# KiCad board CPU2908C.kicad_pcb (continued)
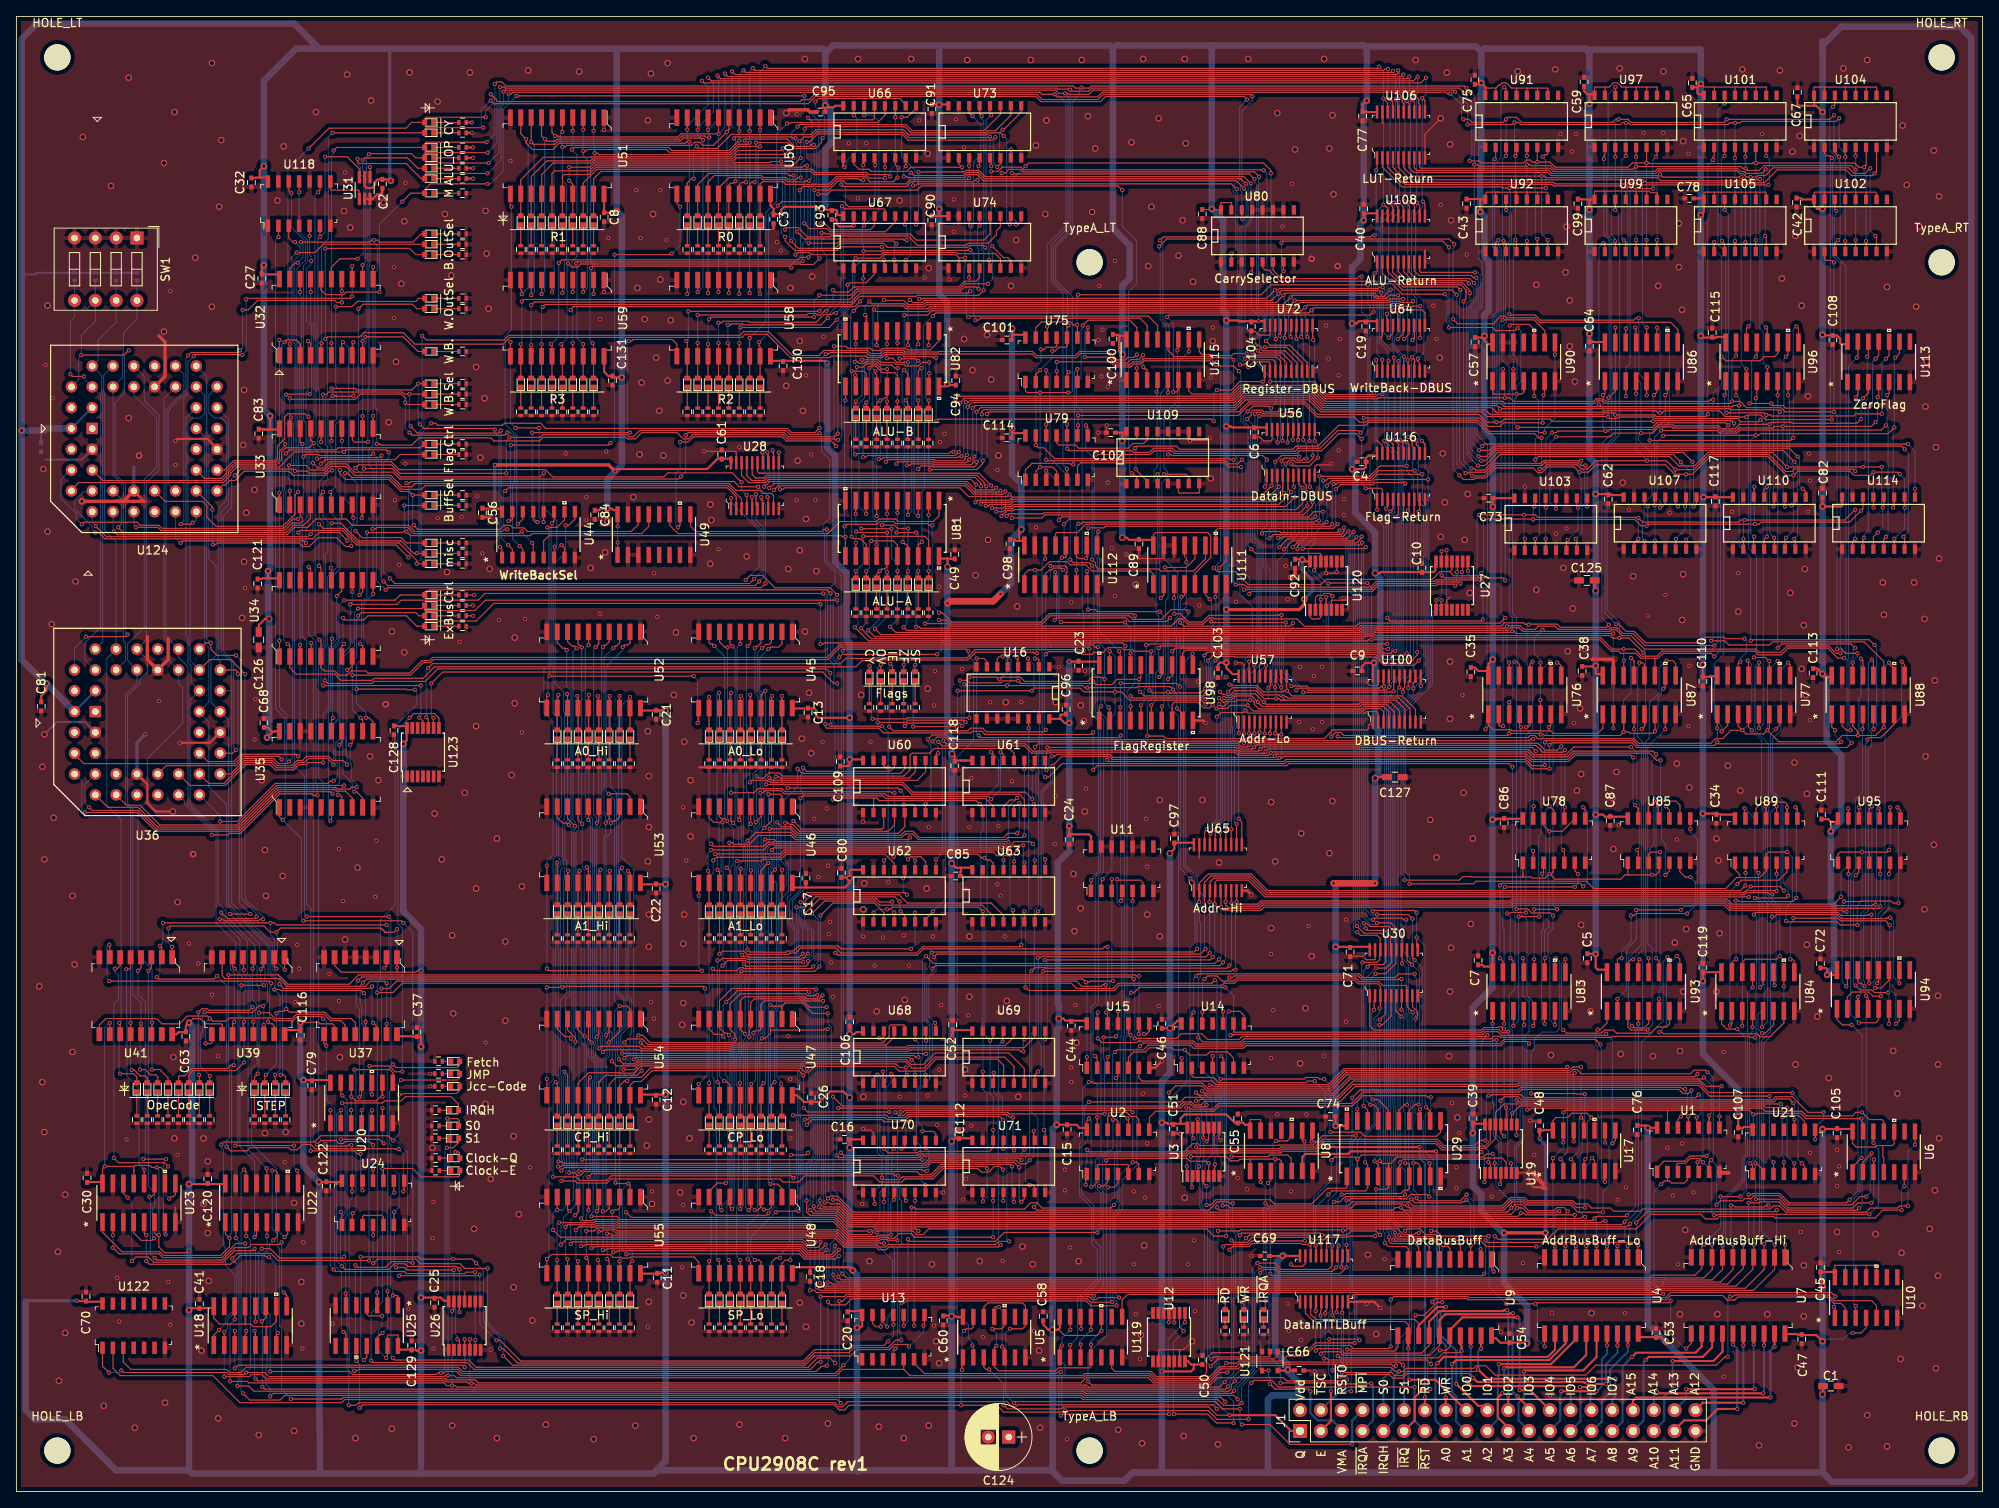
[diagram p0: board, top side]
## Routing (per net, layer and track width the routed paths; a pad name or vN(x,y) marks a point on that pad's centre or on a via; arc(x,y) is an arc through that point) (continued)
  Bottom w0.127: v1(82.66,99.5) 83.16,99 v1(83.16,93.78) ; v1(65.38,118.17) 65.38,117.81 65.26,117.7 65.26,100.79 65.08,100.6 v1(65.08,99.56) 64.87,99.35 v1(64.87,97.21)
/Executer/WB_A1: length 90.1
  Top w0.127: v1(83.3,72.7) 83.3,74.1 ; v1(64.82,117.66) 65.99,117.66 66.9,118.56 U44.10 ; v1(64.76,76.38) 64.76,74.6 ; v1(83.68,63.56) 65.01,63.56 v1(64.76,63.81)
  Bottom w0.127: 83.17,72.83 v1(83.3,72.7) 83.3,63.94 v1(83.68,63.56) ; v1(64.76,63.81) v1(64.76,76.38) 64.76,77.02 65.52,77.78 65.52,93.91 64.38,95.05 64.38,100.26 65.01,100.89 65.01,117.47 v1(64.82,117.66)
/Executer/WB_CP: length 106.3
  Top w0.127: v1(64.76,50.35) 64.76,48.82 ; U47.11 v1(83.28,49.73) ; v1(84.06,61.4) 83.81,61.65 66.79,61.65 v1(66.66,61.52) v1(64.76,61.52) ; 68.17,119.56 68.17,118.66 67.42,117.91 v1(67.04,117.91)
  Bottom w0.127: 66.72,76.7 66.72,76.13 66.39,75.8 66.39,61.79 v1(66.66,61.52) ; 66.72,76.7 66.72,77.08 ; 66.72,76.7 66.72,77.08 ; v1(67.04,117.91) 67.04,114.61 65.77,113.34 65.77,100.58 65.77,98.61 66.79,97.59 ; v1(83.28,49.73) 84.31,50.76 84.31,60.51 84.06,60.76 v1(84.06,61.4) ; 66.79,97.59 66.79,97.56 66.78,97.55 66.78,95.19 66.92,95.05 66.92,82.1 66.66,81.84 66.66,77.14 66.72,77.08 ; 66.79,97.59 66.79,97.46 ; v1(64.76,61.52) v1(64.76,50.35)
/Executer/WB_R0: length 60.8
  Top w0.127: v1(73.01,150.93) 79.87,150.93 v1(80,151.06) ; v1(60.06,118.42) 60.31,118.42 60.55,118.66 U44.15 ; v1(60.38,127.69) 72.25,127.69 v1(72.5,127.94) ; 80.61,157.92 80.61,157.17 v1(81.01,156.77)
  Bottom w0.127: v1(80,151.06) 81.01,152.07 v1(81.01,156.77) ; v1(60.38,127.69) 60.31,127.62 60.31,118.67 v1(60.06,118.42) ; v1(72.5,127.94) 73.01,128.45 v1(73.01,150.93)
/Executer/WB_R1: length 43.1
  Top w0.127: v1(60.42,156.77) 60.3,156.9 U51.11 ; v1(61.2,118.04) 61.82,118.66 U44.14
  Bottom w0.127: v1(60.42,156.77) 60.42,141.8 60.44,141.79 59.66,141.01 59.66,130.25 61.07,128.84 61.07,118.17 v1(61.2,118.04)
/Executer/WB_R2: length 43.9
  Top w0.127: v1(63.61,118.29) 63.36,118.29 63.09,118.56 U44.13 ; U58.11 80.61,140.01 80.05,140.58 75.23,140.58 75.23,140.52 75.1,140.39 v1(74.75,140.39) ; v1(62.96,129.21) v1(74.92,129.21)
  Bottom w0.127: v1(74.92,129.21) 74.56,129.57 74.56,140.2 v1(74.75,140.39) ; v1(63.61,118.29) 62.96,118.94 v1(62.96,129.21)
/Executer/WB_R3: length 28.3
  Top w0.127: v1(60.93,129.79) v1(63.81,129.79) ; v1(60.31,140.26) 60.3,140.25 U59.11 ; U44.12 v1(64.36,118.29)
  Bottom w0.127: v1(60.93,129.79) 60.31,130.41 v1(60.31,140.26) ; v1(63.81,129.79) 63.81,118.84 v1(64.36,118.29)
/Executer/WB_SP: length 112.2
  Top w0.127: v1(66.53,115.5) 66.9,115.13 U44.7 ; U55.11 64.74,28.36 v1(64.76,28.38) 65.32,28.94 72.48,28.94 72.83,28.59 73.8,28.59 73.88,28.5 74.9,28.5 75.03,28.63 82.66,28.63 83.3,28 83.3,26.72
  Bottom w0.127: v1(64.76,28.38) 65.01,28.63 65.01,49.8 65.51,50.3 65.51,77.13 65.95,77.57 65.95,94.59 65.52,95.02 65.52,96.19 65.52,100.77 65.52,114.48 v1(66.53,115.5)
/Executer/WRO0: length 101.8
  Top w0.127: v1(149.83,92.51) 149.83,93.65 ; v1(111.26,91.8) 111.77,92.32 113.46,92.32 114.03,91.75 140.07,91.75 140.25,91.56 149.57,91.56 v1(149.83,91.3) 150.15,91.62 184.59,91.62 184.78,91.82 v1(185.14,91.82) ; U60.7 v1(110.97,83.88) ; v1(185.14,78.16) 185.14,76.76
  Bottom w0.127: v1(185.14,91.82) 184.75,91.44 184.75,78.54 v1(185.14,78.16) ; v1(110.97,83.88) 111.61,84.52 111.61,91.09 111.26,91.45 v1(111.26,91.8) ; v1(149.83,92.51) v1(149.83,91.3)
/Executer/WRO1: length 97.6
  Top w0.127: U60.9 112.24,89.91 112.43,90.1 v1(112.51,90.1) ; v1(188.57,90.93) 188.12,90.48 186.55,90.48 185.72,91.31 164.18,91.31 164.12,91.37 150.73,91.37 v1(150.5,91.14) 150.22,90.86 149.56,90.86 149.11,91.31 140.13,91.31 139.94,91.49 113.91,91.49 113.34,92.06 112.36,92.06 v1(111.82,91.52) ; 188.95,77.02 188.95,78.16 v1(188.82,78.29) ; 150.47,93.65 v1(150.47,92.51)
  Bottom w0.127: v1(188.57,90.93) 188.57,78.54 v1(188.82,78.29) ; v1(111.82,91.52) 112.51,90.83 v1(112.51,90.1) ; v1(150.5,91.14) 150.47,91.17 v1(150.47,92.51)
/Executer/WRO2: length 85.3
  Top w0.127: v1(151.12,92.51) 151.12,93.64 ; v1(189.01,90.47) 188.76,90.22 186.3,90.22 185.47,91.05 164.07,91.05 164.01,91.11 151.35,91.11 v1(151.1,90.86) 150.85,90.61 149.45,90.61 149.01,91.05 140,91.05 139.81,91.24 124.7,91.24 v1(124.32,90.86) ; 188.95,83.37 189.01,83.43 v1(189.01,83.49) 188.95,83.43 U78.10 ; U61.7 124.3,83.75 v1(124.18,83.88)
  Bottom w0.127: v1(151.1,90.86) 151.1,92.49 ; v1(189.01,90.47) v1(189.01,83.49) ; v1(124.32,90.86) 124.32,90.51 124.45,90.38 124.45,84.14 v1(124.18,83.88)
/Executer/WRO3: length 75.7
  Top w0.127: U78.13 185.14,83.56 v1(185.2,83.62) ; v1(185.46,90.35) 185.01,90.8 163.97,90.8 163.91,90.86 152.11,90.86 v1(151.86,90.61) 151.61,90.35 149.35,90.35 148.9,90.8 v1(125.84,90.8) ; v1(151.74,92.64) 151.74,93.65 ; U61.9 125.57,88.2 v1(125.75,88.03)
  Bottom w0.127: v1(151.86,90.61) 151.74,90.73 v1(151.74,92.64) ; v1(185.46,90.35) 185.2,90.09 v1(185.2,83.62) ; v1(125.84,90.8) 125.84,90.22 125.75,90.13 v1(125.75,88.03)
/Executer/WRO4: length 126.9
  Top w0.127: v1(197.84,78.29) 197.96,78.16 U85.2 ; v1(111.87,70.79) 111.87,70.75 110.97,69.84 U62.7 ; v1(197.09,90.86) 190.1,90.86 189.16,89.91 185.19,89.91 184.56,90.55 163.86,90.55 163.8,90.61 152.78,90.61 v1(152.46,90.28) 152.27,90.1 149.24,90.1 148.86,90.48 126.17,90.48 126.05,90.36 124.06,90.36 123.18,91.24 113.52,91.24 v1(113.14,91.62) ; v1(152.37,92.51) 152.37,93.65
  Bottom w0.127: v1(152.37,92.51) 152.37,90.37 v1(152.46,90.28) ; v1(197.09,90.86) 197.78,90.17 197.78,84.2 198.09,83.9 198.09,78.54 v1(197.84,78.29) ; v1(111.87,70.79) 113.39,72.31 113.39,91.37 v1(113.14,91.62)
/Executer/WRO5: length 126.9
  Top w0.127: v1(200.14,89.97) 199.76,90.35 190,90.35 189.31,89.66 185.09,89.66 184.49,90.26 153.2,90.26 v1(153.1,90.16) 152.78,89.84 149.14,89.84 148.76,90.22 126.27,90.22 126.15,90.11 123.93,90.11 123.05,90.99 113.02,90.99 v1(112.51,91.5) ; v1(153,92.51) 153,92.81 153.09,92.89 U57.7 ; U62.9 v1(112.24,77.14) ; 201.77,77.02 201.77,75.73 v1(201.28,75.24)
  Bottom w0.127: v1(112.51,91.5) 113.02,90.99 113.02,77.92 v1(112.24,77.14) ; v1(153,92.51) 153,90.25 v1(153.1,90.16) ; v1(201.28,75.24) 201.28,79.04 200.83,79.49 200.83,83.94 199.63,85.14 199.63,89.11 200.14,89.62 v1(200.14,89.97)
/Executer/WRO6: length 108.3
  Top w0.127: v1(124.7,70.79) 124.3,70.4 U63.7 ; v1(153.66,92.51) 153.66,92.8 153.77,92.91 153.77,93.65 ; v1(200.68,89.22) 200.23,89.22 199.36,90.1 190.1,90.1 189.34,89.34 184.96,89.34 184.29,90 153.82,90 v1(153.59,89.78) 153.41,89.59 133.83,89.59 133.46,89.96 126.96,89.96 126.72,89.72 v1(126.37,89.72) ; v1(201.33,83.62) 201.77,83.18 201.77,82.22
  Bottom w0.127: 126.35,89.72 126.04,89.41 126.04,88.36 126.22,88.18 126.22,86.64 125.08,85.5 125.08,71.17 v1(124.7,70.79) ; v1(201.33,83.62) 201.33,84.08 200.68,84.73 v1(200.68,89.22) ; v1(153.59,89.78) 153.66,89.84 v1(153.66,92.51)
/Executer/WRO7: length 97.8
  Top w0.127: U85.13 197.96,83.22 ; 197.96,83.22 197.96,82.93 ; 197.96,83.22 197.96,83.37 v1(197.58,83.75) ; v1(154.4,92.38) 154.4,93.65 ; v1(197.33,89.59) 197.07,89.84 190.21,89.84 189.45,89.08 184.85,89.08 184.22,89.72 154.72,89.72 154.53,89.53 v1(154.18,89.53) 153.98,89.34 133.73,89.34 133.35,89.71 127.61,89.71 v1(126.48,88.57) ; U63.9 v1(125.57,77.14)
  Bottom w0.127: v1(154.4,92.38) 154.4,89.76 v1(154.18,89.53) ; v1(126.48,88.57) 126.48,86.54 125.34,85.4 125.34,77.38 v1(125.57,77.14) ; v1(197.58,83.75) 197.33,84 v1(197.33,89.59)
/Executer/WRO8: length 128.7
  Top w0.127: 211.04,76.89 211.06,76.87 v1(211.06,75.49) ; v1(111.73,65.78) 111.79,65.84 143.73,65.84 v1(144.12,66.22) ; U65.2 144.38,74.25 145.49,75.37 150.71,75.37 152.74,73.34 210.43,73.34 v1(211.05,73.95) ; v1(144.37,71.94) 144.37,73.33 ; U68.7 v1(110.97,50.86)
  Bottom w0.127: v1(111.73,65.78) 111.48,65.53 111.48,64.12 110.86,63.5 110.86,57.46 111.48,56.84 111.48,55.27 111.48,55.26 111.48,53.13 110.97,52.62 v1(110.97,50.86) ; v1(144.37,71.94) 144.12,71.68 v1(144.12,66.22) ; v1(211.06,75.49) 211.05,75.48 v1(211.05,73.95)
/Executer/WRO9: length 125.5
  Top w0.127: v1(145.15,66.22) 144.51,65.59 112.38,65.59 v1(112,65.21) ; v1(145.02,71.17) 145.02,73.06 145,73.08 ; v1(112.13,57.21) 112.24,57.09 112.24,56.19 ; U65.3 145.03,74.36 145.78,75.11 150.61,75.11 152.64,73.08 210.83,73.08 211.08,73.33 214.79,73.33 ; v1(214.85,75.37) 214.85,76.38
  Bottom w0.127: v1(145.15,66.22) 145.02,66.35 v1(145.02,71.17) ; v1(112,65.21) 112.25,64.95 112.25,63.54 111.36,62.65 111.36,57.97 v1(112.13,57.21) ; 214.87,75.35 214.87,73.28
  vias: v1(214.85,73.27)
/Executer/WRO10: length 128.8
  Top w0.127: v1(124.68,65.15) 125.04,65.15 125.21,65.32 125.72,65.32 125.77,65.26 145.2,65.26 v1(145.66,65.71) ; U65.4 145.68,74.38 146.16,74.86 150.48,74.86 152.51,72.83 210.93,72.83 211.19,73.08 213.79,73.08 213.99,72.88 v1(214.35,72.88) ; v1(124.7,51.24) 124.3,50.84 U69.7 ; v1(145.64,71.94) 145.64,73.72 ; 214.85,81.97 v1(214.85,83.62)
  Bottom w0.127: v1(124.7,51.24) 125.08,51.62 125.08,54.65 124.74,54.99 124.74,64.73 124.68,64.79 v1(124.68,65.15) ; v1(214.35,72.88) 214.1,73.13 214.1,82.86 v1(214.85,83.62) ; v1(145.64,71.94) 145.64,65.73 v1(145.66,65.71)
/Executer/WRO11: length 119.6
  Top w0.127: v1(210.93,83.37) 210.93,81.95 211.04,81.84 ; v1(125.5,64.88) 145.69,64.88 v1(146.02,65.2) ; U65.5 146.33,74.39 146.54,74.6 150.35,74.6 152.39,72.57 v1(211.44,72.57) ; 125.57,56.19 v1(125.57,55.17) ; v1(146.27,71.68) 146.27,72.83
  Bottom w0.127: v1(146.02,65.2) 146.27,65.46 v1(146.27,71.68) ; v1(210.93,83.37) 212.2,82.1 212.2,73.33 v1(211.44,72.57) ; v1(125.5,64.88) 125.82,64.56 125.82,55.42 v1(125.57,55.17)
/Executer/WRO12: length 158.3
  Top w0.127: 223.63,76.5 v1(223.63,75.37) ; U70.7 v1(110.97,37.39) ; v1(223.39,70.73) 223.04,70.73 222.85,70.92 209.08,70.92 208.45,71.55 182.89,71.55 182.65,71.31 152.27,71.31 151.88,70.92 147.42,70.92 v1(147.04,71.3) 147.04,73.59 ; v1(146.78,64.95) 146.27,64.44 111.93,64.44 v1(111.04,65.33)
  Bottom w0.127: v1(110.97,37.39) 110.51,37.85 110.51,39.7 111.04,40.23 111.04,40.76 110.35,41.46 110.35,42.22 109.84,42.73 109.84,49.08 110.35,49.59 110.35,52.62 110.6,52.87 110.6,64.9 v1(111.04,65.33) ; v1(146.78,64.95) 147.04,65.21 v1(147.04,71.3) ; v1(223.39,70.73) 223.39,71.09 223.63,71.33 223.63,74.5 223.63,74.5 v1(223.63,75.37)
/Executer/WRO13: length 154.7
  Top w0.127: v1(110.6,43.96) 111.91,43.96 112.24,43.63 U70.9 ; 227.49,76.45 v1(227.49,75.37) ; v1(111.81,63.81) 112.19,64.18 146.9,64.18 v1(147.29,64.57) ; v1(227.52,71.39) 227.3,71.18 222.05,71.18 222.05,71.18 209.18,71.18 208.56,71.8 182.79,71.8 182.55,71.56 152.12,71.56 151.73,71.17 148.03,71.17 147.6,71.61 v1(147.6,71.96) 147.6,72.35 147.63,72.39 U65.7
  Bottom w0.127: v1(147.6,71.96) 147.6,64.88 v1(147.29,64.57) ; v1(110.6,43.96) 110.6,44.5 110.09,45.01 110.09,48.97 111.49,50.37 111.49,52.63 111.81,52.95 111.81,56.87 111.11,57.57 111.11,62.75 111.81,63.46 v1(111.81,63.81) ; v1(227.52,71.39) 227.52,75.34
/Executer/WRO14: length 154.2
  Top w0.127: v1(123.92,63.56) 124.3,63.93 125.55,63.93 125.61,63.87 147.75,63.87 v1(148.07,64.19) ; 148.31,73.21 v1(148.31,71.81) 148.69,71.43 151.62,71.43 152.01,71.82 182.44,71.82 182.68,72.06 208.66,72.06 209.29,71.43 221.94,71.43 222.02,71.5 226.46,71.5 226.58,71.62 v1(226.94,71.62) ; v1(227.3,83.37) 227.43,83.24 U95.10 ; U71.7 124.3,37.16 124.06,37.39 v1(123.68,37.39)
  Bottom w0.127: v1(226.94,71.62) 226.94,72.27 227.05,72.38 227.05,83.12 v1(227.3,83.37) ; v1(123.68,37.39) 123.18,37.9 123.18,40.83 123.67,41.33 123.67,63.31 v1(123.92,63.56) ; v1(148.07,64.19) 148.31,64.43 v1(148.31,71.81)
/Executer/WRO15: length 141
  Top w0.127: v1(223.59,83.37) 223.59,81.98 ; v1(222.73,72.57) 221.84,71.68 209.39,71.68 208.77,72.31 182.58,72.31 182.34,72.07 151.91,72.07 151.52,71.68 149.19,71.68 v1(148.94,71.94) 148.94,72.83 ; v1(125.45,44.12) 125.57,44 U71.9 ; v1(148.81,63.68) 148.46,63.68 148.27,63.49 v1(125.34,63.49)
  Bottom w0.127: v1(125.45,44.12) 125.45,54.65 125.09,55.01 125.09,63.24 v1(125.34,63.49) ; v1(148.94,71.94) 148.81,71.81 v1(148.81,63.68) ; v1(223.59,83.37) 223.59,76.47 222.73,75.6 v1(222.73,72.57)
/IO0: length 30.2
  Top w0.127: U9.12 169.9,20.39 169.53,20.76 169.15,20.76 ; 169.15,20.76 158.35,20.76 157.33,21.78 157.33,23.16 ; 169.15,20.76 169.28,20.76 ; 169.91,19.84 169.66,19.59
  Top w0.25: v1(170.04,13.64) 173.21,13.64 177.02,9.83 ; 169.9,18.85 v1(169.9,17.45)
  Bottom w0.25: v1(169.9,17.45) 169.9,13.79 v1(170.04,13.64)
/IO1: length 37.6
  Top w0.127: 171.17,20.5 171.22,20.45 171.34,20.45 ; 171.17,20.5 171.17,20.28 ; 171.17,20.5 171.17,20.52 170.67,21.01 158.6,21.01 157.98,21.63 157.98,23.16 ; 171.17,20.5 171.39,20.5 171.48,20.59 ; 157.96,22.28 157.96,23.04
  Top w0.25: v1(174.48,22.53) 173.42,22.53 171.17,20.28 U9.13 ; 179.55,10.47 178.42,10.47 v1(175.75,13.14)
  Bottom w0.25: v1(174.48,22.53) 173.85,21.9 173.85,19.1 175.75,17.2 v1(175.75,13.14)
/IO2: length 44.6
  Top w0.127: v1(158.59,22.03) 158.59,22.66 ; v1(158.59,17.2) 158.84,17.45 161.52,17.45 162.07,16.9 171.52,16.9 172.43,17.81 172.43,18.45
  Top w0.25: U9.14 172.44,20.74 173.72,22.03 181.49,22.03 181.61,22.14 v1(181.96,22.14) ; v1(182.09,11.74) 182.09,10.09
  Bottom w0.127: v1(158.59,22.03) v1(158.59,17.2)
  Bottom w0.25: v1(181.96,22.14) 181.96,21.79 182.1,21.65 182.1,12.1 182.09,12.09 v1(182.09,11.74)
/IO3: length 45.4
  Top w0.127: 173.72,18.34 173.72,17.84 172.53,16.65 161.96,16.65 161.53,17.07 159.48,17.07 v1(159.23,16.82) ; 159.28,23.16 159.28,22.19 159.19,22.1 v1(159.19,21.49)
  Top w0.25: v1(182.66,21.77) 182.31,21.77 182.18,21.64 174.42,21.64 173.71,20.93 U9.15 ; 184.37,10.47 v1(183.23,11.61)
  Bottom w0.127: v1(159.23,16.82) 159.23,21.45
  Bottom w0.25: v1(182.66,21.77) 182.62,21.72 182.62,12.23 v1(183.23,11.61)
/IO4: length 48
  Top w0.127: v1(159.62,16.24) 159.98,16.24 160.17,16.06 172.17,16.06 v1(172.68,15.54) ; 159.93,23.16 159.93,22.21 159.75,22.03 v1(159.75,21.77) ; v1(173.74,17.23) 174.52,17.23 174.98,17.69 U9.16
  Top w0.25: 186.79,10.35 184.77,12.37 v1(183.49,12.37) ; v1(183.23,21.26) 182.88,21.26 176.51,21.26 174.98,19.73 U9.16
  Bottom w0.127: v1(159.62,16.24) 159.62,16.6 159.75,16.72 v1(159.75,21.77) ; v1(172.68,15.54) 172.68,16.17 v1(173.74,17.23)
  Bottom w0.25: v1(183.23,21.26) 183.49,21.01 v1(183.49,12.37)
/IO5: length 44
  Top w0.127: 160.62,23.04 160.64,23.03 v1(160.64,21.52) ; v1(176.39,17.2) 176.14,16.95 174.21,16.95 173.58,16.32 161.53,16.32 v1(161.28,16.56)
  Top w0.25: v1(177.15,13.39) 177.66,12.88 189.59,12.88 189.6,12.88 ; v1(176.39,17.2) 176.39,17.82 176.25,17.96 U9.17
  Bottom w0.127: v1(161.28,16.56) 161.28,20.88 v1(160.64,21.52)
  Bottom w0.25: v1(176.39,17.2) 176.39,14.15 v1(177.15,13.39) ; v1(189.58,12.88) 189.58,11.88 189.72,11.74 189.72,9.96
/IO6: length 49.7
  Top w0.127: 161.13,22.66 161.14,22.66 v1(161.14,21.9) ; v1(177.79,13.9) 177.28,14.41 169.76,14.41 169.2,13.84 168.04,13.84 167.6,14.28 162.4,14.28 162.1,13.97 v1(161.5,13.97)
  Top w0.25: U9.18 v1(177.52,17.71) ; v1(191.76,13.26) 191.4,13.26 191.28,13.38 178.3,13.38 v1(177.79,13.9)
  Bottom w0.127: v1(161.5,13.97) 161.28,14.2 161.28,14.97 161.72,15.41 161.72,21.32 v1(161.14,21.9)
  Bottom w0.25: v1(177.52,17.71) 177.52,14.17 v1(177.79,13.9) ; 192.12,11.88 192.12,12.52 ; 192.12,12.52 192.12,10.1 ; 192.12,12.52 192.12,12.9 v1(191.76,13.26)
/IO7: length 51.1
  Top w0.127: v1(178.42,14.91) 178.17,14.66 169.66,14.66 169.15,14.15 168.26,14.15 167.88,14.53 v1(161.78,14.53) ; 161.9,22.91 161.83,22.85 v1(161.83,21.84)
  Top w0.25: v1(195.17,13.77) 179.56,13.77 v1(178.42,14.91) ; U9.19 v1(178.79,17.45)
  Bottom w0.127: v1(161.78,14.53) 161.78,14.89 161.98,15.09 161.98,21.68 v1(161.83,21.84)
  Bottom w0.25: v1(195.17,13.77) 195.19,13.75 195.19,11.61 194.8,11.23 194.8,9.96 ; v1(178.42,14.91) 178.42,17.09 v1(178.79,17.45)
/IRQH: length 139.7
  Top w0.127: v1(209.16,23.8) 209.51,23.8 209.7,23.99 221.21,23.99 221.9,23.3 226.46,23.3 227.05,22.71 U10.5 ; v1(208.9,16.44) 208.52,16.44 207.5,15.42 192.77,15.42 191.57,14.22 180.51,14.22 179.38,15.35 178.21,15.35 177.9,15.04 169.66,15.04 169.28,14.66 v1(168.77,14.66) 168.26,14.66 167.75,15.17 161.02,15.17 v1(160.64,14.79) ; v1(158.48,50.09) 157.59,50.09 157.41,49.91 146.78,49.91 146.15,50.53 143.68,50.53 143.48,50.74 U14.2
  Bottom w0.127: v1(209.16,23.8) 208.9,23.55 v1(208.9,16.44) ; v1(158.48,50.09) 159.75,48.82 159.75,43.25 161.15,41.85 161.15,36.51 160.12,35.48 160.12,29.88 160.51,29.49 160.51,22.13 160.2,21.82 160.2,19.55 160.77,18.98 160.77,15.55 160.64,15.42 v1(160.64,14.79)
  Bottom w0.25: J1.9 168.13,8.69 168.13,14.03 v1(168.77,14.66)
/Q: length 332.8
  Top w0.127: v1(134.29,22.72) 134.25,22.67 131.16,22.67 130.56,23.28 108.65,23.28 108.42,23.04 v1(108.06,23.04) ; v1(59.04,17.45) 59.39,17.45 59.66,17.19 59.69,17.19 61.2,15.68 96.15,15.68 97.42,16.95 101.59,16.95 102.22,17.58 106.41,17.58 107.3,18.47 v1(107.99,18.47) ; 101.19,114.74 v1(101.19,116.51) 100.84,116.51 100.71,116.64 65.01,116.64 64.36,115.99 U44.5 ; U25.11 42.77,16.42 v1(42.4,16.06) ; 129.65,107.12 126.1,107.12 125.08,106.1 114.13,106.1 112.99,107.24 v1(112.64,107.24) ; 129.65,107.12 131.07,107.12 136.26,107.12 v1(136.51,106.86) ; 129.65,107.12 129.78,107.12 ; v1(53.58,41.46) 53.96,41.46 54.09,41.33 54.09,40.82 ; v1(111.79,117.91) 111.44,117.91 111.23,118.11 107.33,118.11 107.08,118.37 105.34,118.37 105.02,118.04 101.33,118.04 v1(101.08,117.78) ; v1(42.02,28.63) 49.14,28.63 49.39,28.38 v1(53.33,28.38) 55.61,28.38 v1(56.12,27.87) ; U2.6 137,39.95 136.76,40.19 v1(136.26,40.19) ; U82.11 v1(101.19,133.15)
  Bottom w0.127: v1(134.29,22.72) 134.29,23.21 133.84,23.66 133.84,33.84 134.61,34.6 134.61,38.54 v1(136.26,40.19) 136.26,45.52 135.37,46.41 135.37,55.41 135.56,55.6 135.56,97.66 135.75,97.84 ; v1(42.4,16.06) 42.02,16.44 42.02,17.2 ; v1(53.58,41.46) 52.82,40.69 52.82,28.88 v1(53.33,28.38) ; v1(42.02,28.63) 42.02,17.2 ; 42.02,17.2 42.02,16.82 ; v1(56.12,27.87) 57.01,26.98 57.01,20.77 59.04,18.74 v1(59.04,17.45) ; v1(108.06,23.04) 107.81,22.78 107.81,19.44 107.99,19.25 v1(107.99,18.47) ; 135.75,97.84 135.62,97.72 ; 135.75,97.84 136.51,98.61 v1(136.51,106.86) ; v1(112.64,107.24) 111.79,108.09 v1(111.79,117.91) ; v1(101.19,116.51) 101.08,116.62 v1(101.08,117.78) 101.08,133.04 v1(101.19,133.15)
/S0: length 321.3
  Top w0.127: 54.07,44.76 54.07,45.27 53.82,45.52 v1(52.62,45.52) ; v1(193.91,42.6) 193.91,43.73 193.9,43.74 ; v1(12.81,14.79) 13.07,14.53 25.64,14.53 25.89,14.28 27.78,14.28 v1(28.04,14.53) 30.34,14.53 30.85,14.03 52.21,14.03 52.34,14.15 v1(52.69,14.15) ; v1(193.66,34.09) 190.61,34.09 189.73,34.98 184.27,34.98 183.89,35.36 182.56,35.36 181.55,34.34 169.32,34.34 v1(169.01,34.66) 168.32,34.66 168.01,34.34 152.15,34.34 152.15,34.35 146.84,34.35 v1(146.53,34.66) ; 10.51,17.71 10.51,15.31 v1(11.29,14.53) ; v1(168.38,15.34) 168.03,15.34 167.82,15.55 154.8,15.55 154.63,15.38 149.55,15.38 149.15,14.98 146.97,14.98 145.51,13.52 138.93,13.52 138.3,14.15 130.48,14.15 130.23,13.9 53.71,13.9 53.45,14.15 52.64,14.15 ; U14.4 v1(146.02,53.14) ; U22.3 v1(28.04,31.17)
  Bottom w0.127: v1(193.91,42.6) 194.42,42.1 194.42,37.39 193.66,36.63 v1(193.66,34.09) ; v1(169.01,34.66) 170.02,33.64 170.02,19.85 168.39,18.22 168.39,16.44 168.38,16.43 v1(168.38,15.34) ; v1(12.81,14.79) 12.56,14.53 v1(11.29,14.53) ; v1(28.04,14.53) 28.56,15.06 28.56,30.65 v1(28.04,31.17) ; v1(52.69,14.15) 52.69,28.65 52.56,28.78 52.56,40.8 53,41.24 53,45.14 v1(52.62,45.52) ; v1(146.53,34.66) 146.53,35.01 147.05,35.54 147.05,40.69 146.55,41.2 146.55,43.07 146.92,43.44 146.92,49.65 146.02,50.55 v1(146.02,53.14)
  Bottom w0.25: J1.10 166.85,13.81 v1(168.38,15.34)
/S1: length 290.2
  Top w0.127: v1(192.34,40.69) 192.63,40.4 192.63,39.11 ; U14.5 147.29,52.89 v1(147.04,53.14) ; v1(191.44,34.66) 190.43,34.66 189.85,35.23 184.37,35.23 183.99,35.61 182.46,35.61 181.45,34.6 170.08,34.6 v1(169.77,34.91) 169.42,34.91 169.23,35.1 163.43,35.1 162.93,34.6 152.64,34.6 152.64,34.6 148.19,34.6 147.88,34.91 v1(147.24,34.91) ; 53.94,42.98 53.94,42.58 53.33,41.97 v1(52.56,41.97) ; v1(169.26,15.42) 168.88,15.8 154.69,15.8 154.57,15.68 149.34,15.68 148.9,15.24 146.87,15.24 145.4,13.77 139.04,13.77 138.41,14.41 130.37,14.41 130.12,14.15 109.08,14.15 108.32,14.91 ; v1(30.97,14.66) 40.66,14.66 41.03,14.29 51.27,14.29 51.45,14.47 v1(51.8,14.47) 52.16,14.47 52.34,14.66 53.73,14.66 54.24,14.15 100.06,14.15 100.82,14.91 108.32,14.91 ; 108.32,15.93 108.32,14.91 ; v1(31.35,30.66) 31.85,31.15 U22.6
  Bottom w0.127: v1(169.26,15.42) 169.26,18.33 170.28,19.34 170.28,34.4 v1(169.77,34.91) ; v1(191.44,34.66) 191.44,39.49 192.09,40.14 192.09,40.44 v1(192.34,40.69) ; v1(30.97,14.66) 30.97,21.65 30.21,22.41 30.21,28.76 30.91,29.46 30.91,30.22 v1(31.35,30.66) ; v1(52.56,41.97) 52.31,41.71 52.31,28.67 52.31,14.98 v1(51.8,14.47) ; v1(147.24,34.91) 147.24,35.27 147.43,35.46 147.43,52.74 v1(147.04,53.14)
  Bottom w0.25: J1.12 169.39,15.29 v1(169.26,15.42)
/Sequencer/BROM/A0: length 102.8
  Top w0.127: D148.2 32.86,50.62 32.62,50.85 v1(32.24,50.85) ; v1(32.12,61.9) 32.62,61.4 43.17,61.4 v1(43.42,61.65) ; v1(43.55,57.21) 43.91,56.84 U37.14
  Bottom w0.127: v1(32.24,50.85) 32.49,51.1 32.49,61.53 v1(32.12,61.9) 32.12,62.28 30.97,63.43 30.97,66.62 25.9,71.69 25.9,94.15 U36.24 23.73,96.32 23.73,101.4 24.37,102.04 24.37,112.96 23.48,113.85 23.48,128.71 U124.24 ; v1(43.55,57.21) 43.55,57.33 43.42,57.46 v1(43.42,61.65)
/Sequencer/BROM/A1: length 101.5
  Top w0.127: v1(42.6,57.33) 42.64,57.29 U37.13 ; v1(42.4,60.83) 42.09,61.14 32.24,61.14 32.12,61.27 v1(31.48,61.27) ; D149.2 v1(31.59,50.85)
  Bottom w0.127: v1(42.6,57.33) 42.6,60.63 v1(42.4,60.83) ; v1(31.59,50.85) 32.18,51.44 32.18,60.57 v1(31.48,61.27) 31.48,61.62 31.6,61.75 31.6,62.42 30.72,63.3 30.72,66.51 25.65,71.59 25.65,83.85 23.48,86.01 23.48,93.91 22.34,95.05 ; U36.25 23.48,96.32 23.48,102.91 23.04,103.35 23.04,103.41 22.97,103.48 22.97,128.71 U124.25
/Sequencer/BROM/A2: length 100
  Top w0.127: v1(30.45,50.85) 30.32,50.73 D150.2 ; v1(31.74,58.35) 31.99,58.6 32.64,58.6 v1(32.93,58.89) 33.33,58.49 37.66,58.49 38.45,57.71 40.88,57.71 41.39,57.21 41.39,56.19
  Bottom w0.127: 30.72,51.12 v1(30.45,50.85) 31.74,52.14 v1(31.74,58.35) ; U124.26 25.89,130.87 25.89,120.45 24.98,119.53 24.98,102.45 26.27,101.15 26.27,97.72 ; U36.26 26.27,97.72 ; 26.27,97.72 26.27,71.81 31.23,66.86 31.23,63.68 32.93,61.98 v1(32.93,58.89)
/Sequencer/BROM/A3: length 100.5
  Top w0.127: D151.2 29.05,50.58 v1(29.45,50.98) ; v1(29.63,58.43) 30.88,58.43 31.59,57.71 33.66,57.71 34.19,58.24 37.56,58.24 38.34,57.46 39.61,57.46 40.1,56.97 40.1,55.82
  Bottom w0.127: v1(29.45,50.98) 29.45,51.34 29.63,51.51 v1(29.63,58.43) 29.63,61.47 29.39,61.71 29.39,64 29.13,64.25 29.13,66.67 25.57,70.23 25.57,70.85 24.62,71.8 24.62,80.55 21.2,83.98 21.2,96.58 U36.27 21.32,98.73 21.32,100.77 20.94,101.15 20.94,104.19 20.69,104.45 20.69,130.99 U124.27
/Sequencer/BROM/A4: length 105.2
  Top w0.127: v1(30.09,59.24) 29.58,59.24 28.81,58.47 v1(22.97,58.47) ; U39.14 v1(30.2,56.95) ; v1(28.56,70.47) v1(26.08,70.47) ; U36.28 26.78,100.26 27.04,100 v1(27.04,99.75) ; v1(23.61,50.73) 23.61,49.97
  Bottom w0.127: v1(22.97,58.47) 22.72,58.23 22.72,56.09 22.47,55.83 22.47,51.87 v1(23.61,50.73) ; v1(26.08,70.47) 29.7,66.85 29.7,64.52 30.34,63.88 30.34,62.3 30.65,61.99 30.65,59.8 v1(30.09,59.24) 30.2,59.13 v1(30.2,56.95) ; U36.28 24.88,101.25 24.62,101.5 24.62,119.94 25.64,120.96 25.64,130.36 25.01,130.99 24.16,130.99 23.48,131.67 23.48,133.79 U124.28 ; v1(28.56,70.47) 27.22,71.81 27.22,90.69 27.04,90.88 v1(27.04,99.75)
/Sequencer/BROM/A5: length 110.2
  Top w0.127: D153.2 22.32,50.83 v1(22.3,50.85) ; U39.13 v1(28.93,57.33) ; v1(25.01,70.67) 25.76,69.91 29.07,69.91 v1(29.32,70.16) ; v1(28.81,59.11) 28.43,58.73 23.48,58.73 23.29,58.92 22.66,58.92 v1(22.21,58.47) ; v1(26.78,102.04) 24.5,102.04 23.73,102.8 v1(23.73,103.56) 23.1,103.56 U36.29
  Bottom w0.127: U124.29 23.23,136.07 23.23,128.81 23.23,128.81 23.23,104.07 v1(23.73,103.56) ; v1(25.01,70.67) 25.01,70.29 28.18,67.12 28.18,63.17 28.55,62.81 28.55,59.38 v1(28.81,59.11) 28.81,57.44 v1(28.93,57.33) ; v1(29.32,70.16) 29.32,70.51 27.48,72.36 27.48,101.34 v1(26.78,102.04) ; v1(22.3,50.85) 22.21,50.94 v1(22.21,58.47)
/Sequencer/BROM/A6: length 108.7
  Top w0.127: 21.05,49.97 21.05,50.84 21.58,51.37 26.79,51.37 v1(27.8,52.38) ; U36.30 23.04,100.96 23.04,100.96 23.62,101.53 26.14,101.53 v1(27.92,99.75) ; v1(30.09,69.84) 29.73,69.84 29.55,69.65 25.35,69.65 25.16,69.84 v1(24.81,69.84) ; U39.12 27.66,57.19 v1(27.8,57.33)
  Bottom w0.127: v1(27.8,52.38) 27.8,52.38 v1(27.8,57.33) 27.8,60.89 27.91,61 27.91,62.43 27.28,63.05 27.28,67.36 v1(24.81,69.84) ; v1(27.92,99.75) 27.92,72.34 30.09,70.18 30.09,69.78 ; U36.30 21.2,101.4 21.2,117.89 20.94,118.15 20.94,130.38 21.55,130.99 22.47,130.99 22.97,131.5 22.97,133.79 U124.30
/Sequencer/BROM/A7: length 100.2
  Top w0.127: v1(26.59,57.33) 26.39,57.13 U39.11 ; 19.8,49.97 19.8,50.6 19.93,50.74 20.55,50.74 21.44,51.62 25.77,51.62 25.89,51.74 25.89,51.74 26.18,52.03 v1(26.54,52.03)
  Bottom w0.127: v1(26.54,52.03) 26.59,52.08 v1(26.59,57.33) 26.59,63.24 26.15,63.68 26.15,64.44 26.78,65.08 26.78,66.98 24.37,69.4 24.37,80.45 20.94,83.88 20.94,100.67 19.8,101.81 U36.31 18.27,104.32 18.27,132.05 20.43,134.21 20.43,136.33 U124.31
